# KiCad board processed.kicad_pcb (continued)
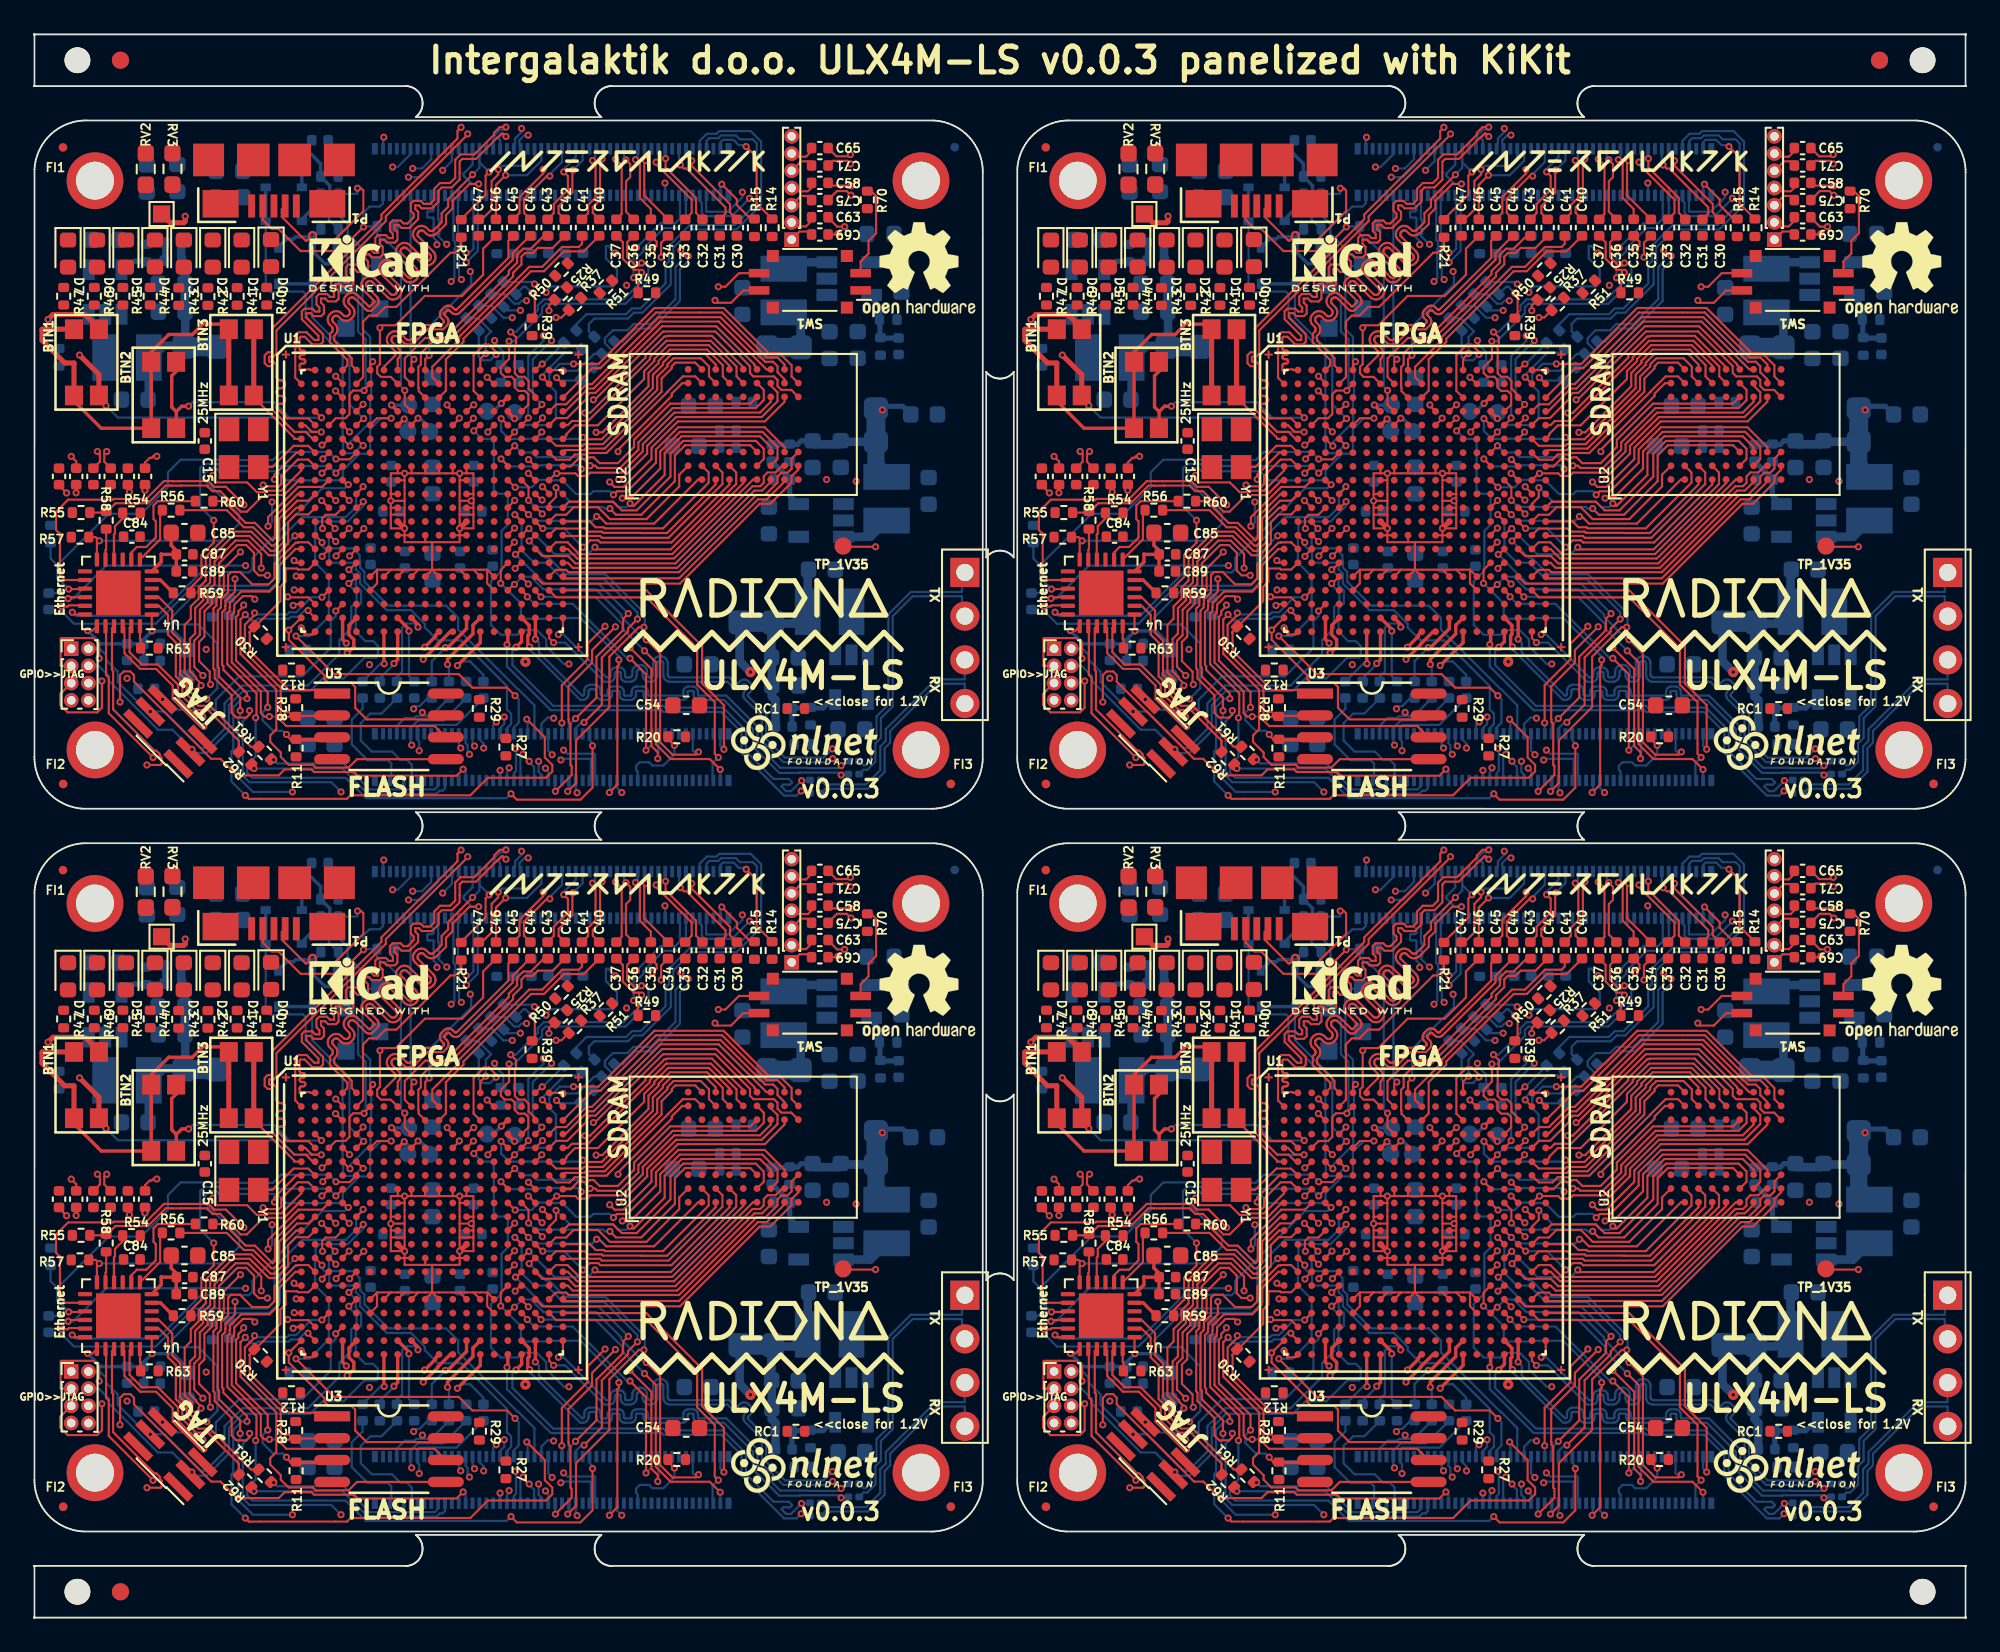
[diagram p0: board, top side]
## Routing (per net, layer and track width the routed paths; a pad name or vN(x,y) marks a point on that pad's centre or on a via; arc(x,y) is an arc through that point) (continued)
Board_1-/serdes/S_1_N: length 3.3
  Top w0.2: U1#2.Y8 78.22,55.67 v1(78,55.45)
  Bottom w0.127: C68#2.1 77.18,54.59 78,55.41 v1(78,55.45)
Board_1-/serdes/S_1_P: length 3.6
  Top w0.2: U1#2.Y7 77.42,55.44 v1(77.44,55.43)
  Bottom w0.127: v1(77.44,55.43) 77.21,55.43 C62#2.2
Board_1-/serdes/S_2_N: length 32.6
  Top w0.127: v1(62.63,65.42) 62.63,65.75 C72#2.1
  Top w0.2: v1(75.28,56.06) 75.31,56.06 75.67,56.41 75.67,56.83 75.39,57.12 75.39,57.66 U1#2.W5
  In2.Cu w0.127: v1(62.63,65.42) 62.98,65.07 62.98,63.15 64.18,61.95 64.57,61.95 65.67,63.05 65.85,63.05 65.85,62.87 64.31,61.33 64.31,60.95 64.47,60.79 64.85,60.79 65.93,61.87 66.11,61.87 66.11,61.69 65.03,60.61 65.03,60.23 65.19,60.07 65.57,60.07 66.47,60.97 66.65,60.97 66.65,60.8 65.75,59.89 65.75,59.52 65.91,59.35 66.28,59.35 66.45,59.51 66.61,59.51 68.51,57.62 70.09,57.62 70.78,56.92 70.78,56.74 70.53,56.49 70.53,56.31 70.71,56.31 70.96,56.56 71.14,56.56 71.14,56.38 71.14,56.38 71.14,56.2 71.32,56.2 71.32,56.21 71.5,56.21 71.73,55.98 75.2,55.98 v1(75.28,56.06)
Board_1-/serdes/S_2_P: length 30
  Top w0.127: v1(63.53,65.51) 63.54,65.52 C55#2.2
  Top w0.2: U1#2.W4 75.02,56.84 v1(75.23,56.62)
  In2.Cu w0.127: v1(75.23,56.62) 74.86,56.25 71.82,56.25 70.2,57.87 68.62,57.87 66.72,59.77 66.34,59.77 66.18,59.6 66.02,59.6 66,59.62 66,59.78 66.91,60.69 66.91,61.08 66.76,61.23 66.37,61.23 65.46,60.32 65.3,60.32 65.28,60.34 65.28,60.5 66.36,61.59 66.36,61.98 66.22,62.12 65.83,62.12 64.74,61.04 64.58,61.04 64.56,61.06 64.56,61.22 66.11,62.76 66.11,63.15 65.96,63.3 65.57,63.3 64.46,62.2 64.28,62.2 63.25,63.23 63.25,65.23 v1(63.53,65.51)
Board_1-/serdes/S_3_N: length 5
  Top w0.2: v1(79.4,57.56) 79.4,57.72 U1#2.W9
  Bottom w0.127: v1(79.4,57.56) 79.19,57.77 78.73,57.77 78.47,57.51 78.47,54.97 78.18,54.68 C73#2.1
Board_1-/serdes/S_3_P: length 4.1
  Top w0.2: U1#2.W8 78.87,57.44 v1(78.87,57.33)
  Bottom w0.127: C56#2.2 78.87,54.7 v1(78.87,57.33)
Board_1-/serdes/S_4_P: length 4.8
  Top w0.2: U1#2.Y14 83.02,56.66 v1(81.69,55.33)
  Bottom w0.127: v1(81.69,55.33) 81.93,55.56 82.42,55.56 83.2,54.78 C64#2.2
Board_1-/serdes/S_5_N: length 72
  Top w0.127: C71#2.1 103.5,84.66 104.35,84.66 v1(104.53,84.47)
  Top w0.2: v1(85.09,56.39) 85.42,56.72 U1#2.Y17
  In2.Cu w0.127: v1(101.69,48.64) 102.26,48.06 105.02,48.06 106.08,49.13 106.08,51.48 108.7,54.1 108.7,61.16 111.14,63.6 111.14,77.76 106.32,82.58 106.32,83.4 105.11,84.62 104.68,84.62 v1(104.53,84.47)
  Bottom w0.127: C93#2.2 102.14,48.64 v1(101.69,48.64) 101.08,48.03 100.79,48.03 100.52,48.3 100.63,48.41 101.02,48.41 101.12,48.51 101.12,48.57 100.95,48.74 100.06,48.74 98.46,50.34 98.46,51.55 97.13,52.88 93.76,52.88 93.66,52.98 87.26,52.98 84.89,55.35 84.89,56.18 v1(85.09,56.39)
Board_1-/serdes/S_5_P: length 71.7
  Top w0.127: C65#2.2 103.71,84.92 104.43,84.92 v1(104.53,85.02)
  Top w0.2: U1#2.Y16 84.62,56.59 v1(84.57,56.54)
  In2.Cu w0.127: v1(101.67,48.04) 101.9,47.81 105.12,47.81 106.34,49.02 106.34,51.37 108.96,53.99 108.96,61.05 111.4,63.49 111.4,77.87 106.58,82.69 106.58,83.51 105.21,84.87 104.68,84.87 v1(104.53,85.02)
  Bottom w0.127: C94#2.2 102.08,47.99 101.9,47.99 101.85,48.04 v1(101.67,48.04) 101.4,47.77 100.67,47.77 98.2,50.23 98.2,51.44 97.02,52.62 93.66,52.62 93.55,52.73 87.12,52.73 84.57,55.27 v1(84.57,56.54)
Board_1-/serdes/S_6_N: length 4.5
  Top w0.2: U1#2.W14 82.59,57.67 82.59,57.17 81.11,55.69 v1(81.11,55.39)
  Bottom w0.127: C74#2.1 81.2,55.3 v1(81.11,55.39)
Board_1-/serdes/S_6_P: length 4.6
  Top w0.2: v1(80.99,56.37) 81.12,56.37 82.22,57.46 U1#2.W13
  Bottom w0.127: v1(80.99,56.37) 80.2,55.57 C57#2.2
Board_1-/serdes/S_7_N: length 70.3
  Top w0.127: C75#2.1 103.23,82.39 103.74,82.9 104.32,82.9 v1(104.56,82.65)
  Top w0.2: v1(86.22,56.86) 86.22,56.86 U1#2.W18
  In2.Cu w0.127: v1(104.56,82.65) 104.69,82.79 105.05,82.79 105.99,81.84 106.03,81.79 106.06,81.74 106.07,81.68 106.07,81.61 106.06,81.55 106.03,81.49 105.95,81.39 105.92,81.34 105.91,81.28 105.91,81.21 105.92,81.15 105.95,81.09 105.99,81.05 106.02,81.02 106.07,80.98 106.12,80.95 106.18,80.94 106.25,80.94 106.31,80.95 106.37,80.98 106.47,81.06 106.52,81.09 106.58,81.1 106.65,81.1 106.71,81.09 106.77,81.06 106.82,81.02 107.33,80.51 107.35,80.48 107.36,80.45 107.37,80.41 107.37,80.38 107.36,80.34 107.35,80.31 107.33,80.28 106.93,79.88 106.87,79.81 106.83,79.73 106.81,79.64 106.81,79.54 106.83,79.45 106.87,79.37 106.93,79.3 106.96,79.26 107.04,79.2 107.12,79.16 107.21,79.14 107.3,79.14 107.39,79.16 107.48,79.2 107.55,79.26 107.95,79.66 107.97,79.68 108.01,79.7 108.04,79.71 108.08,79.71 108.11,79.7 108.15,79.68 108.18,79.66 110.59,77.25 110.59,66.53 109.87,65.82 109.87,63.66 107.6,61.38 107.6,53.84 105.34,51.58 105.34,49.83 104.86,49.35 104.15,49.35 v1(103.99,49.51)
  Bottom w0.127: v1(86.22,56.86) 86.43,56.65 86.43,56.09 88.94,53.58 88.96,53.58 88.99,53.59 89.01,53.6 89.03,53.62 89.05,53.65 89.06,53.67 89.06,53.7 89.06,53.85 89.07,53.93 89.09,54 89.14,54.07 89.19,54.13 89.26,54.17 89.34,54.2 89.41,54.2 89.66,54.2 89.74,54.2 89.81,54.17 89.88,54.13 89.94,54.07 89.98,54 90,53.93 90.01,53.85 90.01,53.7 90.02,53.67 90.03,53.65 90.04,53.62 90.06,53.6 90.08,53.59 90.11,53.58 90.14,53.58 90.34,53.58 90.35,53.58 90.37,53.59 90.38,53.59 90.39,53.61 90.4,53.62 90.41,53.63 90.41,53.65 90.41,53.8 90.42,53.87 90.44,53.93 90.48,53.99 90.53,54.04 90.58,54.07 90.65,54.1 90.72,54.1 91.06,54.1 91.12,54.1 91.19,54.07 91.25,54.04 91.3,53.99 91.33,53.93 91.36,53.87 91.36,53.8 91.36,53.65 91.37,53.63 91.37,53.62 91.38,53.61 91.39,53.59 91.4,53.59 91.42,53.58 91.44,53.58 91.74,53.58 91.75,53.58 91.77,53.59 91.78,53.59 91.79,53.61 91.8,53.62 91.81,53.63 91.81,53.65 91.81,53.8 91.82,53.87 91.84,53.93 91.88,53.99 91.93,54.04 91.98,54.07 92.05,54.1 92.12,54.1 92.46,54.1 92.52,54.1 92.59,54.07 92.65,54.04 92.7,53.99 92.73,53.93 92.76,53.87 92.76,53.8 92.76,53.65 92.77,53.63 92.77,53.62 92.78,53.61 92.79,53.59 92.8,53.59 92.82,53.58 92.84,53.58 94.74,53.58 94.76,53.58 94.77,53.59 94.79,53.59 94.8,53.61 94.81,53.62 94.81,53.63 94.82,53.65 94.82,53.8 94.82,53.87 94.85,53.93 94.88,53.99 94.93,54.04 94.99,54.07 95.06,54.1 95.12,54.1 95.36,54.1 95.43,54.1 95.5,54.07 95.55,54.04 95.6,53.99 95.64,53.93 95.66,53.87 95.67,53.8 95.67,53.65 95.67,53.63 95.68,53.62 95.69,53.61 95.7,53.59 95.71,53.59 95.73,53.58 95.74,53.58 97.32,53.58 99.13,51.77 99.13,50.71 100.45,49.38 102.04,49.38 102.06,49.36 103.84,49.36 v1(103.99,49.51) 104.26,49.78 C91#2.2
Board_1-/serdes/S_7_P: length 70.9
  Top w0.127: C58#2.2 103.39,83.22 104.56,83.22 v1(104.57,83.21)
  Top w0.2: U1#2.W17 85.86,57.66 85.86,57.14 85.78,57.07 85.78,56.52 v1(85.89,56.41)
  In2.Cu w0.127: v1(104.57,83.21) 104.73,83.05 105.18,83.05 107.54,80.69 107.6,80.61 107.64,80.53 107.66,80.44 107.66,80.35 107.64,80.26 107.6,80.17 107.54,80.1 107.14,79.7 107.12,79.68 107.1,79.64 107.09,79.61 107.09,79.57 107.1,79.54 107.12,79.5 107.14,79.47 107.17,79.45 107.2,79.44 107.24,79.43 107.27,79.43 107.31,79.44 107.34,79.45 107.37,79.47 107.77,79.87 107.84,79.93 107.92,79.97 108.01,79.99 108.11,79.99 108.2,79.97 108.28,79.93 108.35,79.87 110.84,77.38 110.84,66.43 110.13,65.71 110.13,63.55 107.86,61.29 107.86,53.74 105.6,51.47 105.6,49.72 104.95,49.08 104.1,49.08 v1(103.99,48.96)
  Bottom w0.127: v1(85.89,56.41) 85.89,56.26 88.83,53.32 88.96,53.32 89.04,53.33 89.11,53.36 89.18,53.4 89.24,53.46 89.28,53.53 89.3,53.6 89.31,53.68 89.31,53.83 89.32,53.86 89.33,53.88 89.34,53.9 89.36,53.92 89.38,53.94 89.41,53.95 89.44,53.95 89.64,53.95 89.66,53.95 89.69,53.94 89.71,53.92 89.73,53.9 89.75,53.88 89.76,53.86 89.76,53.83 89.76,53.68 89.77,53.6 89.79,53.53 89.84,53.46 89.89,53.4 89.96,53.36 90.04,53.33 90.11,53.32 90.36,53.32 90.42,53.33 90.49,53.35 90.55,53.39 90.6,53.44 90.63,53.5 90.66,53.56 90.66,53.63 90.66,53.78 90.67,53.79 90.67,53.81 90.68,53.82 90.69,53.84 90.7,53.84 90.72,53.85 90.74,53.85 91.04,53.85 91.05,53.85 91.07,53.84 91.08,53.84 91.09,53.82 91.1,53.81 91.11,53.79 91.11,53.78 91.11,53.63 91.12,53.56 91.14,53.5 91.18,53.44 91.23,53.39 91.28,53.35 91.35,53.33 91.42,53.32 91.76,53.32 91.82,53.33 91.89,53.35 91.95,53.39 92,53.44 92.03,53.5 92.06,53.56 92.06,53.63 92.06,53.78 92.07,53.79 92.07,53.81 92.08,53.82 92.09,53.84 92.1,53.84 92.12,53.85 92.14,53.85 92.44,53.85 92.45,53.85 92.47,53.84 92.48,53.84 92.49,53.82 92.5,53.81 92.51,53.79 92.51,53.78 92.51,53.63 92.52,53.56 92.54,53.5 92.58,53.44 92.63,53.39 92.68,53.35 92.75,53.33 92.82,53.32 94.76,53.32 94.83,53.33 94.9,53.35 94.95,53.39 95,53.44 95.04,53.5 95.06,53.56 95.07,53.63 95.07,53.78 95.07,53.79 95.08,53.81 95.09,53.82 95.1,53.84 95.11,53.84 95.13,53.85 95.14,53.85 95.34,53.85 95.36,53.85 95.37,53.84 95.39,53.84 95.4,53.82 95.41,53.81 95.41,53.79 95.42,53.78 95.42,53.63 95.42,53.56 95.45,53.5 95.48,53.44 95.53,53.39 95.59,53.35 95.66,53.33 95.72,53.32 97.18,53.32 98.87,51.63 98.87,50.61 100.39,49.09 101.56,49.09 101.59,49.11 103.84,49.11 v1(103.99,48.96) 104.04,49.02 C92#2.2
Board_1-BTN1: length 25.5
  Top w0.127: v1(73.78,68.9) 73.77,68.9 73.23,68.9 72.84,69.3 U1#2.E1 ; v1(61.27,70.43) 61.27,70.61 BTN1#2.2
  Top w0.3: BTN1#2.2 60.86,74.92 60.05,75.72 58.19,75.72 v1(57.9,75.44) ; BTN1#2.2 60.86,72.24 v1(59.73,73.37)
  In2.Cu w0.3: v1(59.73,73.37) 58.14,73.37 57.61,73.9 57.61,75.15 v1(57.9,75.44)
  Bottom w0.127: v1(61.27,70.43) 61.96,69.74 71.37,69.74 72.21,68.9 v1(73.78,68.9)
Board_1-BTN2: length 13.6
  Top w0.127: U1#2.D2 v1(73.79,69.73)
  Top w0.2: 65.36,70.08 65.67,70.4 v1(66.07,70.4) ; 65.36,70.08 65.36,69.13 BTN2#2.2 ; 65.36,70.08 65.09,70.35 65.09,72.17 65.35,72.42 BTN2#2.2
  Bottom w0.127: v1(66.07,70.4) 66.3,70.63 71.03,70.63 71.93,69.73 v1(73.79,69.73)
Board_1-BTN3: length 7.8
  Top w0.127: BTN3#2.2 69.86,70.91 72.21,68.56 72.21,68.5 U1#2.F1
  Top w0.3: BTN3#2.2 BTN3#2.2
Board_1-CAM0_C_N: length 31.9
  Top w0.127: v1(82.29,86.22) 82.29,86.18 77.53,81.43 77.53,81.16 71.17,74.8 71.17,73.45 71,73.27 70.77,73.27 70.75,73.25 70.75,73 70.77,72.98 71,72.98 71.17,72.8 71.17,72.13 71.18,72.07 71.2,72.03 71.22,71.98 71.26,71.95 71.3,71.92 71.35,71.9 71.4,71.9 71.45,71.9 71.5,71.89 71.55,71.88 71.59,71.85 71.62,71.81 71.65,71.77 71.67,71.72 71.67,71.67 71.67,71.62 71.65,71.57 71.62,71.53 71.59,71.49 71.55,71.47 71.5,71.45 71.45,71.44 71.4,71.44 71.35,71.44 71.3,71.42 71.26,71.39 71.22,71.36 71.2,71.32 71.18,71.27 71.17,71.22 71.18,71.17 71.2,71.12 71.22,71.08 71.26,71.04 71.3,71.01 71.35,71 71.4,70.99 71.45,70.99 71.5,70.98 71.55,70.97 71.59,70.94 71.62,70.9 71.65,70.86 71.67,70.81 71.67,70.76 71.67,70.71 71.65,70.66 71.62,70.62 71.59,70.59 71.55,70.56 71.5,70.54 71.45,70.54 71.4,70.54 71.35,70.53 71.3,70.51 71.26,70.49 71.22,70.45 71.2,70.41 71.18,70.36 71.17,70.31 71.8,69.69 73.03,69.69 U1#2.E2
  In2.Cu w0.127: v1(85.42,86.53) 85.42,86.33 84.44,85.35 83.37,85.35 83.34,85.36 83.34,85.35 81.86,85.35 81.64,85.58 81.64,85.77 82.08,86.22 v1(82.29,86.22)
  Bottom w0.127: v1(85.42,86.53) 85.42,86.33 85.04,85.95 85.04,85.64 84.97,85.57 J2#2.40
Board_1-CAM0_C_P: length 32.3
  Top w0.127: v1(81.9,86.6) 81.69,86.39 81.69,85.95 77.28,81.53 77.28,81.26 70.92,74.91 70.92,73.55 70.9,73.53 70.66,73.53 70.49,73.35 70.49,72.9 70.66,72.72 70.9,72.72 70.92,72.7 70.92,70.2 72.22,68.9 72.87,68.9 73.28,68.5 U1#2.F2
  In2.Cu w0.127: v1(81.9,86.6) 81.9,86.4 81.38,85.88 81.38,85.47 81.76,85.1 84.55,85.1 85.6,86.15 v1(85.8,86.15)
  Bottom w0.127: J2#2.42 85.37,85.57 85.3,85.64 85.3,85.85 85.6,86.15 v1(85.8,86.15)
Board_1-CAM0_D0_N: length 32.1
  Top w0.127: U1#2.A5 75.55,72.77 75.55,73.19 74.54,74.2 74.54,74.49 74.59,74.54 74.65,74.62 74.69,74.71 74.72,74.81 74.72,74.91 74.69,75 74.65,75.09 74.59,75.17 74.48,75.28 74.45,75.31 74.43,75.36 74.42,75.4 74.42,75.45 74.43,75.5 74.45,75.54 74.48,75.58 74.49,75.59 74.53,75.62 74.57,75.64 74.62,75.65 74.67,75.65 74.71,75.64 74.76,75.62 74.8,75.59 74.9,75.48 74.98,75.42 75.07,75.38 75.17,75.36 75.27,75.36 75.36,75.38 75.45,75.42 75.53,75.48 75.58,75.53 75.64,75.61 75.69,75.7 75.71,75.8 75.71,75.9 75.69,76 75.64,76.09 75.58,76.17 75.41,76.34 75.38,76.38 75.36,76.42 75.35,76.47 75.35,76.52 75.36,76.57 75.38,76.61 75.41,76.65 75.45,76.68 75.5,76.71 75.55,76.72 75.6,76.72 75.64,76.71 75.69,76.68 75.73,76.65 76.36,76.02 76.41,75.98 76.47,75.95 76.54,75.93 76.61,75.93 76.67,75.95 76.73,75.98 76.78,76.02 77.03,76.27 77.08,76.32 77.11,76.38 77.12,76.45 77.12,76.52 77.11,76.58 77.08,76.64 77.03,76.69 77.03,76.73 76.38,77.38 76.37,77.42 76.37,77.47 76.38,77.52 76.41,77.57 76.44,77.61 76.48,77.64 76.52,77.66 76.57,77.67 76.62,77.67 76.67,77.66 76.71,77.64 76.75,77.61 77.63,76.73 77.71,76.66 77.8,76.62 77.9,76.6 78,76.6 78.1,76.62 78.19,76.66 78.27,76.73 78.31,76.77 78.37,76.84 78.41,76.94 78.44,77.03 78.44,77.13 78.41,77.23 78.37,77.32 78.31,77.4 78.31,77.41 77.43,78.29 77.41,78.33 77.4,78.38 77.4,78.43 77.41,78.47 77.43,78.52 77.46,78.56 77.47,78.57 77.51,78.6 77.55,78.62 77.6,78.63 77.64,78.63 77.69,78.62 77.73,78.6 77.77,78.57 78.62,77.72 78.7,77.65 78.79,77.61 78.89,77.59 78.99,77.59 79.09,77.61 79.18,77.65 79.26,77.72 79.3,77.76 79.36,77.83 79.4,77.93 79.43,78.02 79.43,78.12 79.4,78.22 79.36,78.31 79.3,78.39 79.3,78.42 78.4,79.32 78.39,79.37 78.39,79.42 78.4,79.46 78.42,79.51 78.45,79.55 78.46,79.56 78.5,79.59 78.54,79.61 78.59,79.62 78.63,79.62 78.68,79.61 78.72,79.59 78.76,79.56 79.61,78.71 79.69,78.64 79.78,78.6 79.88,78.58 79.98,78.58 80.08,78.6 80.17,78.64 80.25,78.71 80.29,78.75 80.35,78.82 80.39,78.92 80.42,79.01 80.42,79.11 80.39,79.21 80.35,79.3 80.29,79.38 80.29,79.39 79.4,80.27 79.39,80.29 79.38,80.32 79.38,80.41 79.39,80.45 79.41,80.5 79.44,80.53 79.45,80.55 79.49,80.58 79.53,80.6 79.58,80.61 79.62,80.61 79.67,80.6 79.71,80.58 79.75,80.55 79.86,80.44 79.94,80.38 80.03,80.33 80.12,80.31 80.22,80.31 80.32,80.33 80.41,80.38 80.48,80.44 81.03,80.98 81.03,81.5 81.41,81.88 81.41,82.32 82.4,83.31 v1(82.93,83.31)
  Bottom w0.127: v1(82.93,83.31) 82.52,83.31 82.05,83.79 82.05,83.91 82.57,84.43 J2#2.28
Board_1-CAM0_D0_P: length 36.1
  Top w0.127: U1#2.A4 75.29,72.77 75.29,73.08 74.28,74.09 74.28,74.6 74.39,74.7 74.42,74.74 74.44,74.79 74.45,74.83 74.45,74.88 74.44,74.93 74.42,74.97 74.39,75.01 74.28,75.12 74.22,75.19 74.18,75.28 74.15,75.38 74.15,75.48 74.18,75.57 74.22,75.66 74.28,75.74 74.33,75.79 74.41,75.85 74.5,75.89 74.59,75.92 74.69,75.92 74.79,75.89 74.88,75.85 74.96,75.79 75.06,75.68 75.1,75.65 75.15,75.63 75.19,75.62 75.24,75.62 75.29,75.63 75.33,75.65 75.37,75.68 75.38,75.69 75.41,75.73 75.43,75.78 75.44,75.83 75.44,75.88 75.43,75.93 75.41,75.97 75.38,76.01 75.21,76.18 75.15,76.26 75.11,76.35 75.08,76.44 75.08,76.55 75.11,76.64 75.15,76.73 75.21,76.81 75.25,76.85 75.33,76.91 75.42,76.96 75.52,76.98 75.62,76.98 75.72,76.96 75.81,76.91 75.89,76.85 76.53,76.21 76.54,76.2 76.55,76.2 76.56,76.19 76.58,76.19 76.59,76.2 76.61,76.2 76.62,76.21 76.84,76.44 76.85,76.45 76.86,76.46 76.86,76.48 76.86,76.49 76.86,76.5 76.85,76.52 76.84,76.53 76.24,77.13 76.18,77.21 76.13,77.3 76.11,77.4 76.11,77.5 76.13,77.6 76.18,77.69 76.24,77.77 76.28,77.81 76.36,77.87 76.45,77.91 76.55,77.93 76.65,77.93 76.74,77.91 76.83,77.87 76.91,77.81 77.79,76.93 77.83,76.9 77.88,76.87 77.93,76.86 77.98,76.86 78.02,76.87 78.07,76.9 78.11,76.93 78.14,76.97 78.16,77.01 78.17,77.06 78.17,77.11 78.16,77.16 78.14,77.2 78.11,77.24 77.26,78.09 77.2,78.17 77.15,78.26 77.13,78.35 77.13,78.45 77.15,78.55 77.2,78.64 77.26,78.72 77.31,78.77 77.39,78.83 77.48,78.87 77.57,78.89 77.67,78.89 77.77,78.87 77.86,78.83 77.93,78.77 78.78,77.92 78.82,77.89 78.87,77.86 78.92,77.85 78.97,77.85 79.01,77.86 79.06,77.89 79.1,77.92 79.13,77.96 79.15,78 79.16,78.05 79.16,78.1 79.15,78.15 79.13,78.19 79.1,78.23 78.25,79.08 78.19,79.16 78.14,79.25 78.12,79.34 78.12,79.44 78.14,79.54 78.19,79.63 78.25,79.71 78.3,79.76 78.38,79.82 78.47,79.86 78.56,79.88 78.66,79.88 78.76,79.86 78.85,79.82 78.92,79.76 79.77,78.91 79.81,78.88 79.86,78.85 79.91,78.84 79.96,78.84 80,78.85 80.05,78.88 80.09,78.91 80.12,78.95 80.14,78.99 80.15,79.04 80.15,79.09 80.14,79.14 80.12,79.18 80.09,79.22 79.24,80.07 79.18,80.15 79.13,80.24 79.11,80.33 79.11,80.43 79.13,80.53 79.18,80.62 79.24,80.7 79.29,80.75 79.37,80.81 79.46,80.85 79.55,80.87 79.65,80.87 79.75,80.85 79.84,80.81 79.91,80.75 80.02,80.64 80.06,80.61 80.1,80.59 80.15,80.58 80.2,80.58 80.24,80.59 80.29,80.61 80.32,80.64 80.77,81.09 80.77,81.61 81.15,81.99 81.15,82.43 81.87,83.14 81.87,83.15 v1(82.57,83.85) ; R21#2.1 81.91,81.26 83.33,82.68 83.33,83.79 v1(83.54,84)
  Bottom w0.127: v1(82.57,83.85) 82.97,84.25 J2#2.30 82.97,84.57 v1(83.54,84)
Board_1-CAM0_D1_N: length 32
  Top w0.127: v1(84.51,86.61) 84.15,86.61 83.82,86.29 83.82,86.17 82.77,85.13 82.67,85.03 81.87,85.03 81.56,84.72 81.56,83.67 81.26,83.37 80.68,83.37 80.34,83.03 80.34,82.39 80.11,82.16 79.93,82.16 79.93,82.16 79.73,82.16 79.56,82.33 79.14,82.33 78.98,82.17 78.98,81.75 79.15,81.58 79.15,81.38 78.79,81.02 78.55,81.02 78.38,81.19 77.93,81.19 77.77,81.03 77.77,80.57 77.94,80.4 77.94,80.17 77.94,80.16 77.7,80.16 77.53,80.33 77.07,80.33 76.92,80.18 76.92,79.72 77.09,79.55 77.09,79.31 77.08,79.31 76.85,79.31 76.68,79.48 76.22,79.48 76.06,79.32 76.06,78.87 76.23,78.7 76.23,78.46 76.23,78.45 75.99,78.45 75.82,78.62 75.37,78.62 75.21,78.47 75.21,78.01 75.38,77.84 75.38,77.6 75.38,77.6 75.14,77.6 74.97,77.77 74.51,77.77 74.35,77.61 74.35,77.16 74.52,76.99 74.52,76.75 74.52,76.75 74.28,76.75 74.11,76.92 73.66,76.92 73.5,76.76 73.5,76.3 73.67,76.13 73.67,75.89 73.43,75.89 73.26,76.06 72.81,76.06 72.65,75.91 72.65,75.45 73.62,74.48 73.62,74.24 73.38,74.24 72.93,74.69 72.47,74.69 72.27,74.49 72.27,72.05 U1#2.B1
  Bottom w0.127: v1(84.51,86.61) 84.36,86.47 84.17,86.47 83.84,86.14 83.84,85.92 83.77,85.85 J2#2.34
Board_1-CAM0_D1_P: length 32
  Top w0.127: v1(84.51,86.07) 84.34,86.24 84.25,86.24 84.01,86 84,86 82.77,84.77 81.97,84.77 81.82,84.62 81.82,83.97 81.82,83.97 81.82,83.56 81.36,83.11 80.78,83.11 80.6,82.92 80.6,82.28 80.21,81.89 79.62,81.89 79.45,82.06 79.25,82.06 79.24,82.06 79.24,81.86 79.41,81.69 79.41,81.27 78.9,80.75 78.44,80.75 78.28,80.92 78.04,80.92 78.03,80.92 78.03,80.68 78.2,80.51 78.2,80.06 78.05,79.9 77.59,79.9 77.42,80.07 77.18,80.07 77.18,80.07 77.18,79.83 77.35,79.66 77.35,79.2 77.19,79.05 76.74,79.05 76.57,79.22 76.33,79.22 76.33,79.21 76.33,78.97 76.49,78.8 76.49,78.35 76.34,78.19 75.88,78.19 75.71,78.36 75.47,78.36 75.47,78.36 75.47,78.12 75.64,77.95 75.64,77.49 75.48,77.34 75.03,77.34 74.86,77.51 74.62,77.51 74.62,77.5 74.62,77.27 74.79,77.1 74.79,76.64 74.63,76.48 74.17,76.48 74,76.65 73.77,76.65 73.76,76.65 73.76,76.41 73.93,76.24 73.93,75.79 73.78,75.63 73.32,75.63 73.15,75.8 72.91,75.8 72.91,75.8 72.91,75.56 73.88,74.59 73.88,74.13 73.73,73.98 73.27,73.98 72.82,74.43 72.58,74.43 72.52,74.37 72.52,73.76 72.52,73.73 72.53,73.71 72.55,73.68 72.57,73.66 72.59,73.65 72.62,73.64 72.65,73.63 72.72,73.63 72.75,73.63 72.78,73.62 72.8,73.61 72.82,73.59 72.84,73.56 72.85,73.54 72.85,73.51 72.85,73.48 72.84,73.45 72.82,73.43 72.8,73.41 72.78,73.39 72.75,73.38 72.72,73.38 72.65,73.38 72.62,73.38 72.59,73.37 72.57,73.35 72.55,73.33 72.53,73.31 72.52,73.28 72.52,73.25 72.52,73.22 72.53,73.2 72.55,73.17 72.57,73.15 72.59,73.14 72.62,73.13 72.65,73.13 72.72,73.13 72.75,73.12 72.78,73.11 72.8,73.1 72.82,73.08 72.84,73.05 72.85,73.03 72.85,73 72.85,72.97 72.84,72.94 72.82,72.92 72.8,72.9 72.78,72.88 72.75,72.88 72.72,72.87 72.65,72.87 72.62,72.87 72.59,72.86 72.57,72.84 72.55,72.82 72.53,72.8 72.52,72.77 72.52,72.75 72.52,72.51 72.57,72.46 72.71,72.46 72.79,72.54 73.12,72.54 73.16,72.5 U1#2.A2
  Bottom w0.127: J2#2.36 84.17,85.85 84.1,85.92 84.1,86.03 84.28,86.21 84.36,86.21 v1(84.51,86.07)
Board_1-CAM1_C_N: length 20.3
  Top w0.127: U1#2.F3 73.86,68.14 v1(73.82,68.14)
  In2.Cu w0.127: v1(82.2,79.31) 81.9,79.31 79.38,76.78 79.38,75 76.96,72.58 76.29,72.58 75.33,71.62 75.33,71.13 75.32,71.1 75.31,71.07 75.3,71.05 75.28,71.03 75.25,71.01 75.23,71 75.2,71 75.01,71 74.98,71 74.95,70.99 74.93,70.97 74.91,70.95 74.89,70.93 74.88,70.9 74.88,70.87 74.88,70.85 74.89,70.82 74.91,70.8 74.93,70.77 74.95,70.76 74.98,70.75 75.01,70.75 75.2,70.75 75.23,70.74 75.25,70.73 75.28,70.72 75.3,70.7 75.31,70.68 75.32,70.65 75.33,70.62 74.81,70.1 74.8,70.1 74.79,70.09 74.78,70.09 74.77,70.09 74.76,70.09 74.75,70.1 74.73,70.11 74.72,70.12 74.71,70.12 74.7,70.12 74.69,70.12 74.68,70.11 74.67,70.1 74.56,69.99 74.55,69.99 74.55,69.98 74.54,69.97 74.54,69.95 74.55,69.94 74.55,69.93 74.57,69.92 74.57,69.91 74.57,69.89 74.57,69.88 74.57,69.87 74.57,69.86 74.56,69.85 74.45,69.74 74.44,69.74 74.43,69.73 74.42,69.73 74.41,69.73 74.4,69.73 74.39,69.74 74.37,69.75 74.36,69.76 74.35,69.76 74.34,69.76 74.33,69.76 74.32,69.75 74.31,69.74 74.2,69.64 74.19,69.63 74.19,69.62 74.19,69.61 74.19,69.59 74.19,69.58 74.19,69.57 74.21,69.56 74.21,69.55 74.21,69.54 74.21,69.52 74.21,69.51 74.21,69.5 74.2,69.49 74.2,68.63 73.82,68.26 v1(73.82,68.14)
  Bottom w0.127: v1(82.2,79.31) 82.38,79.31 82.62,79.55 82.62,82.59 J2#2.27
Board_1-CAM1_C_P: length 20.3
  Top w0.127: U1#2.G3 73.87,67.34 v1(73.87,67.33)
  In2.Cu w0.127: v1(82.21,78.75) 81.72,78.75 79.63,76.67 79.63,74.9 77.06,72.33 76.39,72.33 75.6,71.54 75.6,70.54 74.46,69.4 74.46,68.54 74.24,68.32 74.24,67.7 v1(73.87,67.33)
  Bottom w0.127: J2#2.29 82.88,82.55 82.88,79.42 v1(82.21,78.75)
Board_1-CAM1_D0_N: length 19.3
  Top w0.127: v1(74.62,72.14) 75.02,71.74 U1#2.B4
  In2.Cu w0.127: v1(80.5,79.79) 80.85,79.44 80.85,79.22 80.52,78.89 80.49,78.86 80.47,78.85 80.43,78.84 80.4,78.84 80.37,78.85 80.34,78.86 80.32,78.89 80.1,79.1 80.03,79.15 79.96,79.19 79.87,79.21 79.79,79.21 79.7,79.19 79.63,79.15 79.56,79.1 79.53,79.07 79.47,79 79.44,78.92 79.42,78.84 79.42,78.75 79.44,78.67 79.47,78.59 79.53,78.53 79.74,78.31 79.76,78.29 79.78,78.26 79.78,78.23 79.78,78.19 79.78,78.16 79.76,78.13 79.74,78.11 79.72,78.09 79.69,78.07 79.66,78.07 79.62,78.07 79.59,78.07 79.56,78.09 79.54,78.11 79.32,78.32 79.26,78.38 79.18,78.41 79.1,78.43 79.01,78.43 78.93,78.41 78.85,78.38 78.78,78.32 78.75,78.29 78.7,78.22 78.66,78.15 78.64,78.06 78.64,77.98 78.66,77.89 78.7,77.82 78.75,77.75 78.96,77.53 78.98,77.51 79,77.48 79.01,77.45 79.01,77.42 79,77.38 78.98,77.35 78.96,77.33 78.28,76.65 78.28,75.42 78.28,75.42 78.27,75.41 78.22,75.35 78.19,75.29 78.18,75.22 78.18,75.15 78.19,75.08 78.22,75.02 78.27,74.97 78.37,74.86 78.38,74.85 78.39,74.83 78.39,74.82 78.39,74.8 78.39,74.79 78.38,74.77 78.37,74.76 78.27,74.66 78.25,74.65 78.24,74.64 78.23,74.64 78.21,74.64 78.19,74.64 78.18,74.65 78.17,74.66 78.06,74.76 78.01,74.81 77.95,74.84 77.88,74.85 77.81,74.85 77.74,74.84 77.68,74.81 77.62,74.76 76.53,73.67 76.5,73.67 76.43,73.6 76.39,73.57 76.35,73.56 76.31,73.55 76.27,73.55 76.22,73.56 76.19,73.57 76.15,73.6 75.93,73.82 75.86,73.88 75.77,73.92 75.68,73.94 75.58,73.94 75.49,73.92 75.4,73.88 75.33,73.82 75.29,73.78 75.23,73.71 75.19,73.62 75.17,73.53 75.17,73.43 75.19,73.34 75.23,73.25 75.29,73.17 75.51,72.96 75.53,72.92 75.55,72.88 75.56,72.84 75.56,72.8 75.55,72.76 75.53,72.72 75.51,72.68 74.97,72.14 v1(74.62,72.14)
  Bottom w0.127: v1(80.5,79.79) 80.5,79.99 80.31,80.18 80.31,81.32 80.27,81.36 79.99,81.36 79.94,81.41 79.94,81.68 79.98,81.72 80.24,81.72 80.31,81.79 80.31,82.01 80.17,82.15 J2#2.15
Board_1-CAM1_D0_P: length 20.4
  Top w0.127: U1#2.C4 75,70.9 v1(74.61,71.29)
  In2.Cu w0.127: v1(74.61,71.29) 74.82,71.49 74.82,71.63 75.69,72.5 75.71,72.52 75.77,72.59 75.81,72.68 75.83,72.77 75.83,72.87 75.81,72.96 75.77,73.05 75.71,73.12 75.49,73.34 75.47,73.37 75.45,73.41 75.44,73.46 75.44,73.5 75.45,73.54 75.47,73.58 75.49,73.62 75.53,73.64 75.57,73.66 75.61,73.67 75.65,73.67 75.69,73.66 75.73,73.64 75.77,73.62 75.99,73.4 76.06,73.34 76.15,73.3 76.24,73.27 76.34,73.27 76.43,73.3 76.52,73.34 76.59,73.4 76.61,73.42 76.61,73.42 76.65,73.42 77.79,74.56 77.81,74.57 77.82,74.58 77.83,74.58 77.85,74.58 77.87,74.58 77.88,74.57 77.89,74.56 78,74.46 78.05,74.41 78.11,74.38 78.18,74.37 78.25,74.37 78.32,74.38 78.38,74.41 78.44,74.46 78.57,74.59 78.61,74.65 78.65,74.71 78.66,74.78 78.66,74.85 78.65,74.91 78.61,74.98 78.57,75.03 78.47,75.14 78.46,75.15 78.45,75.16 78.45,75.18 78.45,75.19 78.45,75.21 78.46,75.22 78.47,75.24 78.54,75.31 78.54,75.94 78.54,75.97 78.55,76 78.56,76.02 78.58,76.04 78.61,76.05 78.64,76.06 78.66,76.07 78.96,76.07 78.99,76.07 79.02,76.08 79.04,76.09 79.06,76.11 79.07,76.14 79.08,76.17 79.09,76.19 79.08,76.22 79.07,76.25 79.06,76.27 79.04,76.29 79.02,76.31 78.99,76.32 78.96,76.32 78.66,76.32 78.64,76.32 78.61,76.33 78.58,76.35 78.56,76.37 78.55,76.39 78.54,76.42 78.54,76.45 78.54,76.53 79.17,77.16 79.22,77.23 79.26,77.31 79.28,77.39 79.28,77.47 79.26,77.56 79.22,77.63 79.17,77.7 78.95,77.92 78.93,77.94 78.92,77.97 78.91,78 78.91,78.03 78.92,78.07 78.93,78.1 78.95,78.12 78.98,78.14 79.01,78.15 79.04,78.16 79.07,78.16 79.1,78.15 79.13,78.14 79.15,78.12 79.37,77.91 79.44,77.85 79.51,77.82 79.6,77.8 79.68,77.8 79.77,77.82 79.84,77.85 79.91,77.91 79.94,77.94 80,78.01 80.03,78.08 80.05,78.17 80.05,78.25 80.03,78.34 80,78.41 79.94,78.48 79.73,78.69 79.71,78.72 79.69,78.75 79.69,78.78 79.69,78.81 79.69,78.84 79.71,78.87 79.73,78.9 79.75,78.92 79.78,78.93 79.81,78.94 79.85,78.94 79.88,78.93 79.91,78.92 79.93,78.9 80.15,78.68 80.21,78.63 80.29,78.59 80.38,78.57 80.46,78.57 80.54,78.59 80.62,78.63 80.69,78.68 81.16,79.16 81.16,79.71 v1(81.07,79.81)
  Bottom w0.127: v1(81.07,79.81) 81.05,79.81 80.57,80.29 80.57,80.32 80.58,80.34 80.6,80.37 80.62,80.39 80.64,80.4 80.64,80.56 80.64,80.68 80.62,80.7 80.6,80.72 80.58,80.74 80.57,80.77 80.57,80.8 80.57,80.82 80.58,80.85 80.6,80.87 80.62,80.89 80.64,80.91 80.64,81.05 80.64,81.19 80.62,81.2 80.6,81.22 80.58,81.25 80.57,81.27 80.57,81.3 80.57,81.69 80.57,81.72 80.58,81.74 80.57,81.75 80.57,82.17 80.57,82.2 J2#2.17
Board_1-CAM1_D1_N: length 19.5
  Top w0.127: U1#2.D5 75.82,70.12 v1(76.21,70.51)
  In2.Cu w0.127: v1(81.33,77.65) 81.66,77.32 81.66,76.57 81.66,76.57 81.64,76.55 81.61,76.54 81.59,76.54 81.56,76.54 81.54,76.54 81.51,76.55 81.49,76.57 81.39,76.68 81.32,76.73 81.25,76.76 81.18,76.78 81.1,76.78 81.02,76.76 80.95,76.73 80.89,76.68 80.84,76.63 80.79,76.57 80.76,76.5 80.74,76.42 80.74,76.34 80.76,76.26 80.79,76.19 80.84,76.13 81.12,75.85 81.12,75.85 81.38,75.58 81.4,75.56 81.41,75.54 81.42,75.51 81.42,75.49 81.41,75.46 81.4,75.44 81.38,75.42 81.37,75.4 81.35,75.38 81.32,75.37 81.3,75.37 81.27,75.37 81.25,75.37 81.22,75.38 81.2,75.4 80.66,75.95 80.59,76 80.52,76.03 80.45,76.05 80.37,76.05 80.29,76.03 80.22,76 80.16,75.95 80.11,75.9 80.06,75.84 80.03,75.77 80.01,75.69 80.01,75.61 80.03,75.53 80.06,75.46 80.11,75.4 80.22,75.29 80.23,75.27 80.24,75.25 80.25,75.22 80.25,75.2 80.24,75.17 80.23,75.15 80.22,75.13 79.94,74.85 78.32,73.23 78.32,72.73 77.81,72.22 77.78,72.2 77.76,72.19 77.73,72.18 77.7,72.18 77.68,72.19 77.65,72.2 77.63,72.22 77.6,72.25 77.58,72.27 77.55,72.28 77.52,72.28 77.5,72.28 77.47,72.28 77.44,72.27 77.42,72.25 77.4,72.23 77.39,72.2 77.38,72.17 77.38,72.14 77.39,72.12 77.4,72.09 77.42,72.07 77.45,72.04 77.47,72.02 77.48,71.99 77.48,71.97 77.48,71.94 77.48,71.91 77.47,71.88 77.45,71.86 77.43,71.84 77.4,71.83 77.37,71.83 77.34,71.83 77.32,71.83 77.29,71.84 77.27,71.86 77.1,72.03 77.08,72.05 77.05,72.06 77.02,72.07 77,72.07 76.97,72.06 76.94,72.05 76.92,72.03 76.9,72.01 76.89,71.98 76.88,71.95 76.88,71.93 76.89,71.9 76.9,71.87 76.92,71.85 77.09,71.68 77.11,71.66 77.12,71.63 77.12,71.61 77.12,71.58 77.12,71.55 77.11,71.52 77.09,71.5 77.01,71.42 77,71.41 76.98,71.41 76.97,71.4 76.95,71.4 76.94,71.41 76.92,71.41 76.9,71.43 76.88,71.44 76.87,71.44 76.85,71.44 76.84,71.44 76.82,71.43 76.81,71.42 76.73,71.34 76.72,71.33 76.71,71.32 76.71,71.3 76.71,71.29 76.71,71.27 76.72,71.26 76.74,71.23 76.75,71.22 76.75,71.2 76.75,71.19 76.75,71.17 76.74,71.16 76.73,71.14 76.21,70.62 v1(76.21,70.51)
  Bottom w0.127: v1(81.33,77.65) 81.52,77.84 81.52,79.52 81.56,79.57 81.56,79.94 81.46,80.04 81.46,82.55 J2#2.21
